# Altium PCB UmTRXv21.PcbDoc (part 5 of 19)
Units mm, origin at the board's own origin, x right, y up, seen from the top; angles counter-clockwise.
Board outline 159.5 x 99.5 mm, 6 copper layers (Top Layer, GND, MidLayer1, Mid-Layer 2, InternalPlane2, Bottom Layer), stack 1.526 mm thick; 716 components, 578 nets, 2850 pads, 1402 vias.
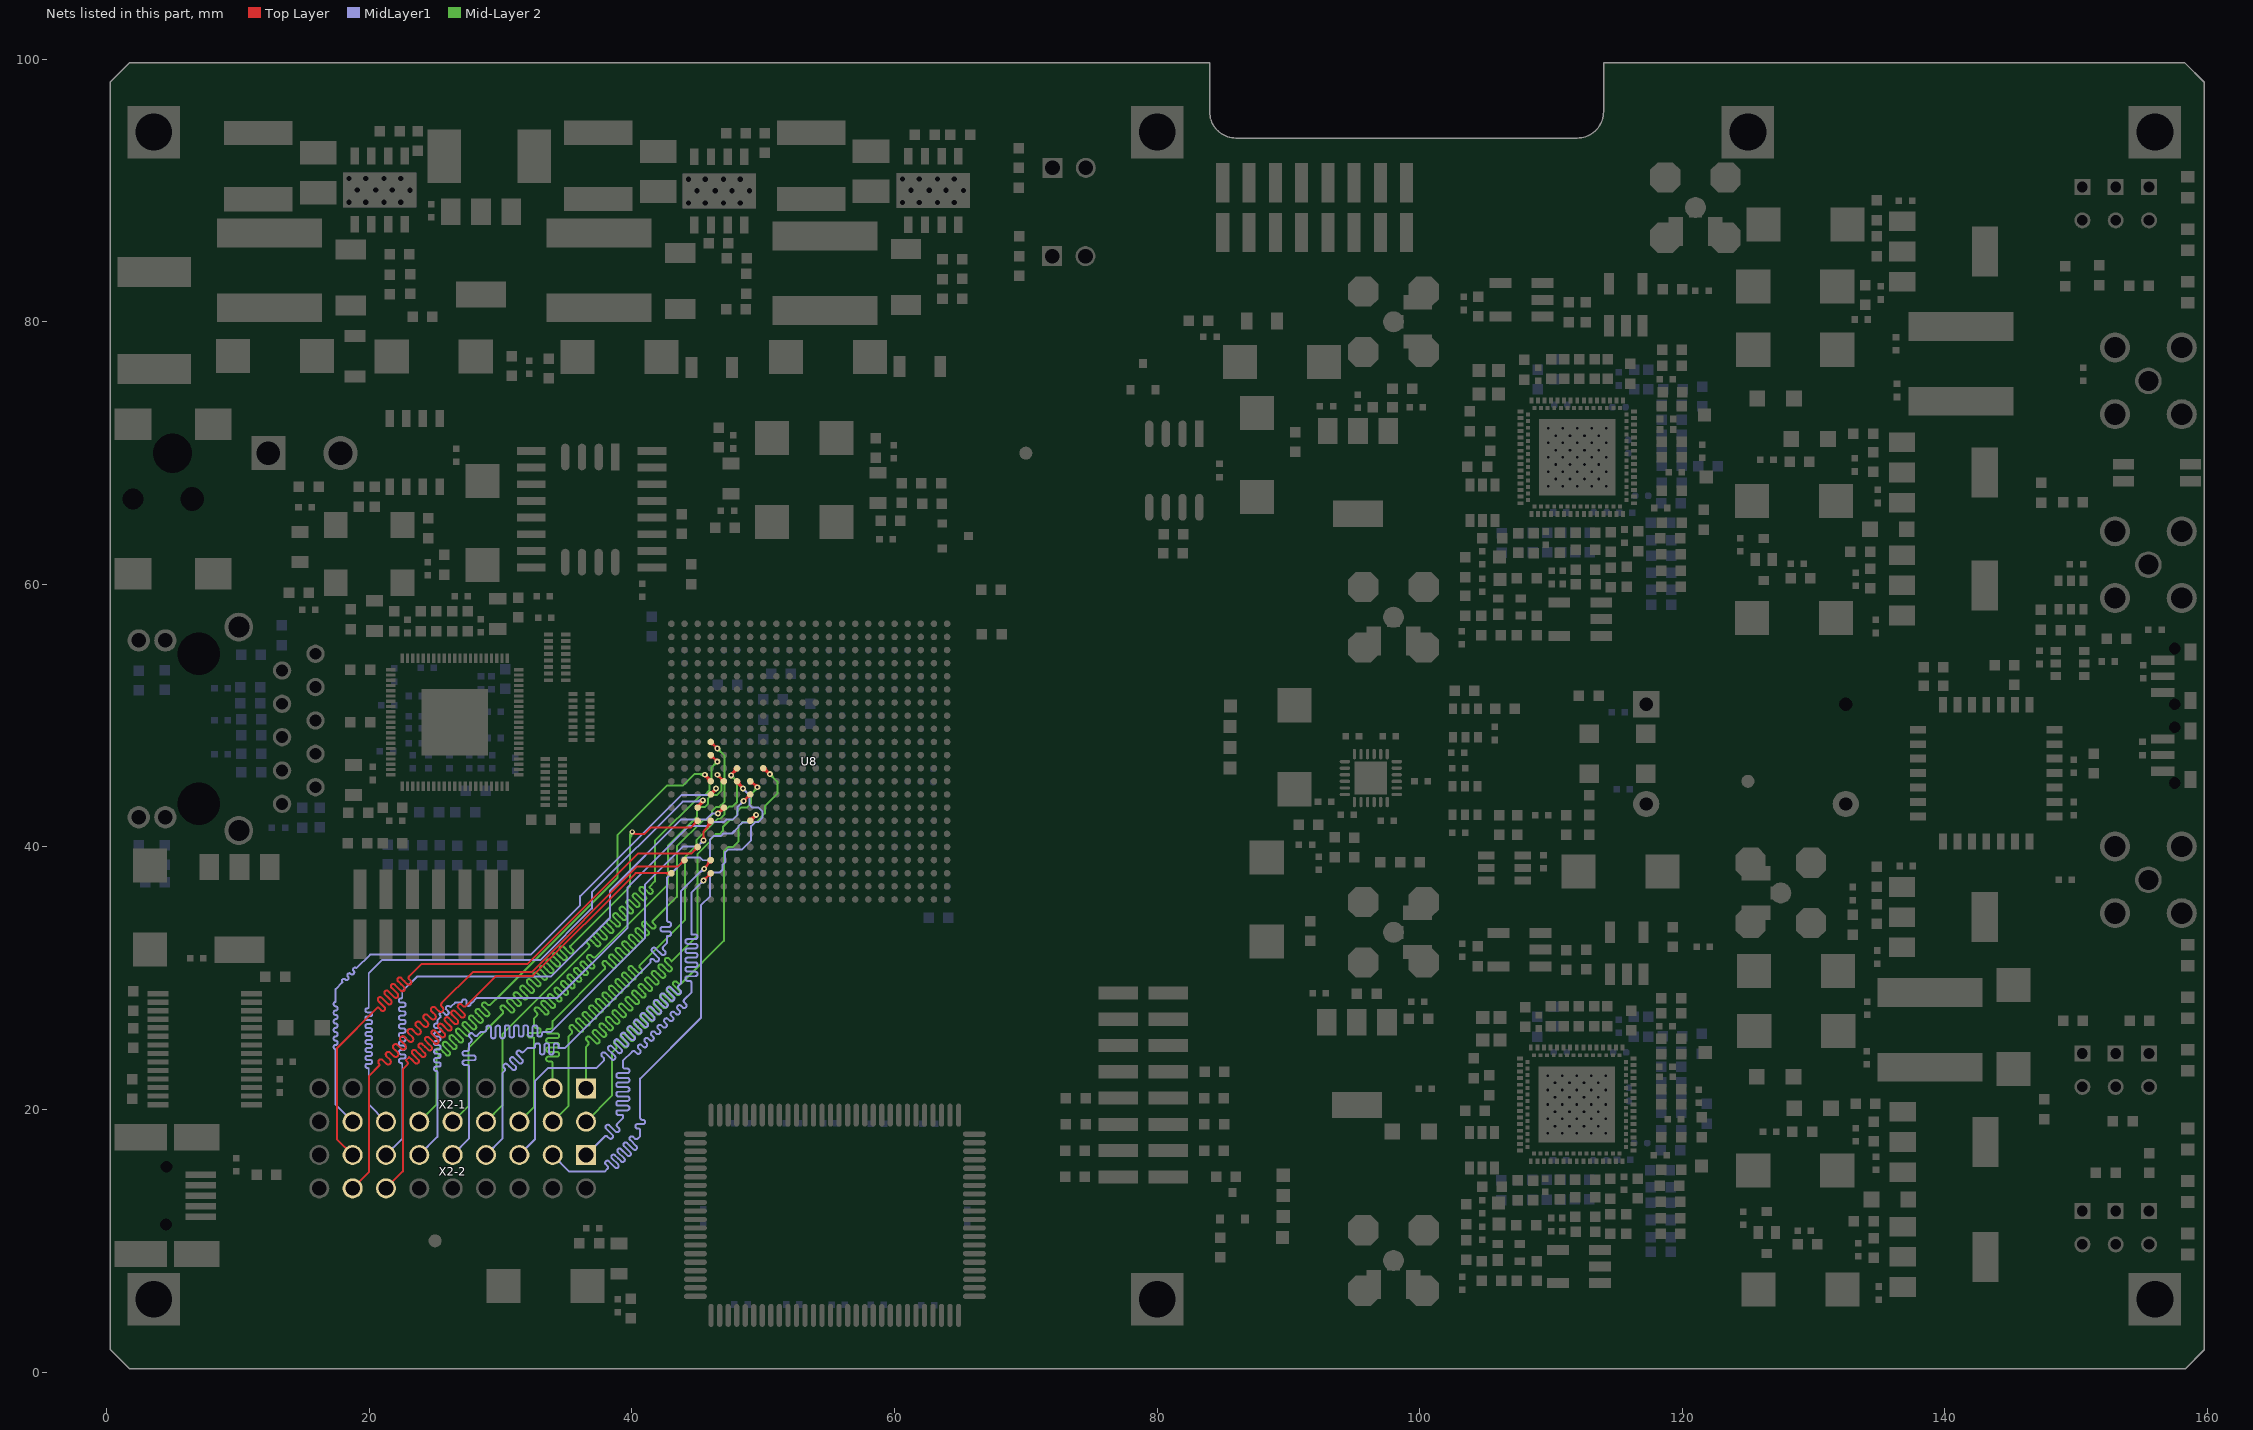
[diagram p9: the nets of this part, all layers, seen from the top]

## Via types
v1: diameter 0.45, hole 0.2, Top Layer to Bottom Layer, tented both sides, 440 vias
v2: diameter 0.5, hole 0.2, Top Layer to Bottom Layer, tented both sides, 423 vias
v3: diameter 0.7, hole 0.3, Top Layer to Bottom Layer, tented both sides, 257 vias
v4: diameter 0.4, hole 0.2, Top Layer to Bottom Layer, tented both sides, 197 vias
v5: diameter 0.8, hole 0.3, Top Layer to Bottom Layer, tented both sides, 63 vias
v6: diameter 0.6, hole 0.25, Top Layer to Bottom Layer, tented both sides, 16 vias
v7: diameter 0.6, hole 0.3, Top Layer to Bottom Layer, tented both sides, 4 vias
v8: diameter 1, hole 0.5, Top Layer to Bottom Layer, tented both sides, 2 vias

## Nets (pads, with @x,y where several pads share a name; then routed paths per layer and width w, separated by ;. In a path a pad name is that pad's centre, name@x,y a point inside that pad or via, vN(x,y) a via of type N, cw(c..) or ccw(c..) an arc to the next point about the centre after c; other vN are vias at no path point) (continued)
DEBUG6: U8.N19 X2-1.3 | length 51.7
  Top Layer w0.15: U8.N19@45.9,48 U8.N19@46,48 v1(46.5,47.5) ; U8.N19@46,47.825 cw(c46,47.403) 46.299,47.701 cw(c46.597,48) U8.N19@46.175,48 ; v1@46.35,47.5 ccw(c45.988,47.5) 46.244,47.756 ccw(c46.5,48.012) v1@46.5,47.65
  Mid-Layer 2 w0.15: X2-1.3@33.96,21.62 33.96,23.5 ccw(c33.783,23.5) 33.783,23.677 33.637,23.677 cw(c33.637,23.853) 33.46,23.853 cw(c33.637,23.853) 33.637,24.03 34.283,24.03 ccw(c34.283,24.206) 34.46,24.206 ccw(c34.283,24.206) 34.283,24.383 33.637,24.383 cw(c33.637,24.56) 33.46,24.56 cw(c33.637,24.56) 33.637,24.736 34.283,24.736 ccw(c34.283,24.913) 34.46,24.913 ccw(c34.283,24.913) 34.283,25.089 33.637,25.089 cw(c33.637,25.266) 33.46,25.266 cw(c33.637,25.266) 33.637,25.443 34.283,25.443 ccw(c34.283,25.619) 34.46,25.619 ccw(c34.283,25.619) 34.283,25.796 33.637,25.796 cw(c33.637,25.972) 33.46,25.972 cw(c33.637,25.972) 33.637,26.149 33.783,26.149 ccw(c33.783,26.326) 33.96,26.326 33.96,26.735 37.9,30.675 ; 37.9,30.925 37.803,31.021 cw(c37.928,31.146) 37.803,31.271 cw(c37.928,31.146) 38.053,31.271 38.275,31.05 38.496,30.828 ccw(c38.621,30.953) 38.746,30.828 ccw(c38.621,30.953) 38.746,31.078 38.524,31.299 38.303,31.521 cw(c38.428,31.646) 38.303,31.771 cw(c38.428,31.646) 38.553,31.771 38.996,31.328 ccw(c39.121,31.452) 39.245,31.328 ccw(c39.121,31.452) 39.245,31.577 38.802,32.02 cw(c38.927,32.145) 38.802,32.27 cw(c38.927,32.145) 39.052,32.27 39.274,32.049 39.495,31.827 ccw(c39.62,31.952) 39.745,31.827 ccw(c39.62,31.952) 39.745,32.077 39.523,32.298 39.302,32.52 cw(c39.427,32.645) 39.302,32.77 cw(c39.427,32.645) 39.552,32.77 39.995,32.327 ccw(c40.12,32.451) 40.244,32.327 ccw(c40.12,32.451) 40.244,32.576 39.801,33.019 cw(c39.926,33.144) 39.801,33.269 cw(c39.926,33.144) 40.051,33.269 40.273,33.048 40.494,32.826 ccw(c40.619,32.951) 40.744,32.826 ccw(c40.619,32.951) 40.744,33.076 40.522,33.297 40.301,33.519 cw(c40.426,33.644) 40.301,33.769 cw(c40.426,33.644) 40.551,33.769 40.994,33.326 ccw(c41.119,33.45) 41.243,33.326 ccw(c41.119,33.45) 41.243,33.575 40.8,34.018 cw(c40.925,34.143) 40.8,34.268 cw(c40.925,34.143) 41.05,34.268 41.272,34.047 41.493,33.825 ccw(c41.618,33.95) 41.743,33.825 ccw(c41.618,33.95) 41.743,34.075 41.587,34.23 cw(c41.654,34.296) 41.587,34.363 43.425,36.2 43.425,40.05 45.425,42.05 45.7,42.05 46.1,42.45 46.1,42.75 46.4,43.05 46.65,43.05 47.05,43.45 47.05,46.95 v1(46.5,47.5) ; 37.9,30.675 ccw(c37.775,30.8) 37.9,30.925 ; v1@46.5,47.35 cw(c46.5,46.988) 46.756,47.244 cw(c47.012,47.5) v1@46.65,47.5
DEBUG7: U8.K16 X2-1.1 | length 51.8
  Top Layer w0.15: U8.K16@49,44.825 cw(c49,44.161) v1@49.469,44.631 ; U8.K16@49.05,45.05 v1(49.55,44.55) ; U8.K16@49.175,45 ccw(c49.356,45) 49.228,44.872 ; v1@49.4,44.55 ccw(c49.038,44.55) 49.294,44.806 ccw(c49.55,45.062) v1@49.55,44.7
  Mid-Layer 2 w0.15: X2-1.1@36.5,21.62 36.5,24.775 36.65,24.925 ccw(c36.525,25.05) 36.65,25.175 36.558,25.267 cw(c36.683,25.392) 36.558,25.517 cw(c36.683,25.392) 36.807,25.517 37.025,25.3 37.242,25.082 ccw(c37.367,25.207) 37.492,25.082 ccw(c37.367,25.207) 37.492,25.332 37.274,25.549 37.057,25.767 cw(c37.182,25.891) 37.057,26.016 cw(c37.182,25.891) 37.307,26.016 37.741,25.582 ccw(c37.866,25.707) 37.991,25.582 ccw(c37.866,25.707) 37.991,25.832 37.557,26.266 cw(c37.682,26.391) 37.557,26.516 cw(c37.682,26.391) 37.806,26.516 38.024,26.299 38.241,26.081 ccw(c38.366,26.206) 38.491,26.081 ccw(c38.366,26.206) 38.491,26.331 38.273,26.548 38.056,26.766 cw(c38.181,26.89) 38.056,27.015 cw(c38.181,26.89) 38.306,27.015 38.74,26.581 ccw(c38.865,26.706) 38.99,26.581 ccw(c38.865,26.706) 38.99,26.831 38.556,27.265 cw(c38.681,27.39) 38.556,27.515 cw(c38.681,27.39) 38.805,27.515 39.023,27.298 39.24,27.08 ccw(c39.365,27.205) 39.49,27.08 ccw(c39.365,27.205) 39.49,27.33 39.272,27.547 39.055,27.765 cw(c39.18,27.889) 39.055,28.014 cw(c39.18,27.889) 39.305,28.014 39.739,27.58 ccw(c39.864,27.705) 39.989,27.58 ccw(c39.864,27.705) 39.989,27.83 39.555,28.264 cw(c39.68,28.389) 39.555,28.514 cw(c39.68,28.389) 39.804,28.514 40.022,28.297 40.239,28.079 ccw(c40.364,28.204) 40.489,28.079 ccw(c40.364,28.204) 40.489,28.329 40.271,28.546 40.054,28.764 cw(c40.179,28.888) 40.054,29.013 cw(c40.179,28.888) 40.304,29.013 40.738,28.579 ccw(c40.863,28.704) 40.988,28.579 ccw(c40.863,28.704) 40.988,28.829 40.771,29.046 40.554,29.263 cw(c40.679,29.388) 40.554,29.513 cw(c40.679,29.388) 40.803,29.513 41.021,29.296 41.238,29.078 ccw(c41.363,29.203) 41.488,29.078 ccw(c41.363,29.203) 41.488,29.328 41.053,29.763 cw(c41.178,29.887) 41.053,30.012 cw(c41.178,29.887) 41.303,30.012 41.737,29.578 ccw(c41.862,29.703) 41.987,29.578 ccw(c41.862,29.703) 41.987,29.828 41.77,30.045 41.553,30.262 cw(c41.678,30.387) 41.553,30.512 cw(c41.678,30.387) 41.802,30.512 42.02,30.295 42.237,30.077 ccw(c42.362,30.202) 42.487,30.077 ccw(c42.362,30.202) 42.487,30.327 42.052,30.762 cw(c42.177,30.886) 42.052,31.011 cw(c42.177,30.886) 42.302,31.011 42.736,30.577 ccw(c42.861,30.702) 42.986,30.577 ccw(c42.861,30.702) 42.986,30.827 42.769,31.044 42.552,31.261 cw(c42.677,31.386) 42.552,31.511 cw(c42.677,31.386) 42.801,31.511 43.019,31.294 45,33.275 45,39.484 45.95,40.434 45.95,40.551 46.378,40.979 46.679,40.979 46.921,41.221 46.921,41.522 47.449,42.05 47.651,42.05 48,42.399 48,42.7 48.3,43 48.75,43 49.075,43.325 49.075,44.025 49.575,44.525 49.6,44.55 v1(49.55,44.55) ; 49.259,44.209 ccw(c48.917,44.55) v1@49.4,44.55 ; 49.379,44.329 cw(c49.55,44.159) v1@49.55,44.4
DEBUG8: U8.J19 X2-1.16 | length 52.9
  Top Layer w0.15: U8.J19@45.982,44.174 ccw(c45.946,44.518) v1@46.245,44.345 ; U8.J19@46,44 46.4,44.4 v1(46.4,44.45) v1@46.276,44.326 ; U8.J19@46,44.175 ccw(c46,44.597) 46.299,44.299 ccw(c46.597,44) U8.J19@46.175,44 ; U8.J19@46.109,44.109 ccw(c45.767,44.45) v1@46.25,44.45 ; U8.J19@46.169,44.045 cw(c46.446,44.119) 46.198,44.263 ; U8.J19@46.172,44.034 cw(c46.375,44.074) 46.271,44.253 ; U8.J19@46.175,43.988 cw(c46.585,43.959) v1@46.379,44.316 ; 46.229,44.229 cw(c46.4,44.058) v1@46.4,44.3
  MidLayer1 w0.15: X2-1.16@18.72,19.08 17.425,20.375 17.425,24.589 cw(c17.425,24.739) 17.275,24.739 17.275,24.767 cw(c17.425,24.767) 17.425,24.917 ccw(c17.425,25.067) 17.575,25.067 17.575,25.094 ccw(c17.425,25.094) 17.425,25.244 cw(c17.425,25.394) 17.275,25.394 17.275,25.422 cw(c17.425,25.422) 17.425,25.572 ccw(c17.425,25.722) 17.575,25.722 17.575,25.75 ccw(c17.425,25.75) 17.425,25.9 cw(c17.425,26.05) 17.275,26.05 17.275,26.078 cw(c17.425,26.078) 17.425,26.228 ccw(c17.425,26.378) 17.575,26.378 17.575,26.406 ccw(c17.425,26.406) 17.425,26.556 cw(c17.425,26.706) 17.275,26.706 17.275,26.733 cw(c17.425,26.733) 17.425,26.883 ccw(c17.425,27.033) 17.575,27.033 17.575,27.061 ccw(c17.425,27.061) 17.425,27.211 cw(c17.425,27.361) 17.275,27.361 17.275,27.389 cw(c17.425,27.389) 17.425,27.539 ccw(c17.425,27.689) 17.575,27.689 17.575,27.717 ccw(c17.425,27.717) 17.425,27.867 cw(c17.425,28.017) 17.275,28.017 17.275,28.045 cw(c17.425,28.045) 17.425,28.195 17.425,29.175 17.944,29.694 17.935,29.704 cw(c18.031,29.8) 17.935,29.897 17.956,29.918 cw(c18.052,29.822) 18.148,29.918 18.158,29.908 18.168,29.898 ccw(c18.264,29.995) 18.361,29.898 18.382,29.92 ccw(c18.286,30.016) 18.382,30.112 18.362,30.132 cw(c18.458,30.228) 18.362,30.324 18.384,30.346 cw(c18.48,30.25) 18.576,30.346 18.596,30.326 ccw(c18.692,30.422) 18.788,30.326 18.81,30.347 ccw(c18.713,30.444) 18.81,30.54 18.79,30.56 cw(c18.886,30.656) 18.79,30.752 18.811,30.773 cw(c18.907,30.677) 19.004,30.773 19.014,30.764 20.05,31.8 32.3,31.8 36.05,35.55 36.05,36.25 43.752,43.952 45.902,43.952 v1(46.4,44.45) ; v1@46.25,44.45 cw(c45.888,44.45) 46.144,44.194 cw(c46.4,43.938) v1@46.4,44.3
DEBUG9: U8.H20 X2-1.14 | length 52.9
  Top Layer w0.15: U8.H20@44.96,43.17 ccw(c44.863,43.586) 45.233,43.373 ; U8.H20@45,43 45.4,43.4 45.4,43.549 v1(45.403,43.552) cw(c45.042,43.552) 45.297,43.297 ; U8.H20@45,43.175 ccw(c45,43.597) 45.299,43.299 ccw(c45.597,43) U8.H20@45.175,43 ; U8.H20@45.041,43.041 ccw(c44.53,43.552) v1@45.253,43.552 ; U8.H20@45.169,43.045 cw(c45.527,43.141) 45.206,43.327
  MidLayer1 w0.15: 19.836,27.712 ccw(c19.836,27.576) 19.7,27.576 19.7,27.546 ccw(c19.836,27.546) 19.836,27.41 20.064,27.41 cw(c20.064,27.274) 20.2,27.274 20.2,27.243 cw(c20.064,27.243) 20.064,27.107 19.836,27.107 ccw(c19.836,26.971) 19.7,26.971 19.7,26.941 ccw(c19.836,26.941) 19.836,26.805 20.064,26.805 cw(c20.064,26.669) 20.2,26.669 20.2,26.639 cw(c20.064,26.639) 20.064,26.503 19.836,26.503 ccw(c19.836,26.367) 19.7,26.367 19.7,26.336 ccw(c19.836,26.336) 19.836,26.2 20.064,26.2 cw(c20.064,26.064) 20.2,26.064 20.2,26.034 cw(c20.064,26.034) 20.064,25.898 19.836,25.898 ccw(c19.836,25.762) 19.7,25.762 19.7,25.731 ccw(c19.836,25.731) 19.836,25.595 20.064,25.595 cw(c20.064,25.459) 20.2,25.459 20.2,25.429 cw(c20.064,25.429) 20.064,25.293 19.836,25.293 ccw(c19.836,25.157) 19.7,25.157 19.7,25.127 ccw(c19.836,25.127) 19.836,24.991 20.064,24.991 cw(c20.064,24.855) 20.2,24.855 20.2,24.824 cw(c20.064,24.824) 20.064,24.688 19.836,24.688 ccw(c19.836,24.552) 19.7,24.552 19.7,24.522 ccw(c19.836,24.522) 19.836,24.386 20.064,24.386 cw(c20.064,24.25) 20.2,24.25 20.2,24.219 cw(c20.064,24.219) 20.064,24.083 19.836,24.083 ccw(c19.836,23.947) 19.7,23.947 19.7,23.917 ccw(c19.836,23.917) 19.836,23.781 20.064,23.781 cw(c20.064,23.645) 20.2,23.645 20.2,23.615 cw(c20.064,23.615) 20.064,23.479 19.836,23.479 ccw(c19.836,23.343) 19.7,23.343 19.7,23.312 ccw(c19.836,23.312) 19.836,23.176 cw(c19.836,23.062) 19.95,23.062 19.95,20.39 X2-1.14@21.26,19.08 ; 19.837,27.712 ccw(c19.837,27.825) 19.95,27.825 19.95,30.375 20.95,31.375 33,31.375 36.95,35.325 36.95,36.55 43.85,43.45 45.4,43.45 45.403,43.453 v1(45.403,43.552) cw(c45.156,43.799) 45.156,43.45 ; 44.794,43.45 ccw(c44.794,44.161) v1@45.297,43.658
DEBUG10: U8.K19 X2-1.12 | length 53.8
  Top Layer w0.15: v1@45.55,45.35 cw(c45.55,44.988) 45.806,45.244 cw(c46.062,45.5) v1@45.7,45.5 ; v1@45.55,45.55 v1(45.55,45.5) U8.K19@46,45.05 ; v1@45.587,45.371 cw(c45.347,44.955) U8.K19@45.825,44.988 ; v1@45.666,45.384 cw(c45.282,45) U8.K19@45.825,45 ; v1@45.699,45.429 ccw(c46.178,45.705) U8.K19@46.043,45.17 ; 45.749,45.277 cw(c45.655,45.114) U8.K19@45.834,45.055 ; 45.787,45.263 ccw(c46,45.477) U8.K19@46,45.175 ; 45.793,45.267 ccw(c45.957,45.361) U8.K19@45.979,45.174 ; 45.831,45.23 cw(c45.685,44.978) U8.K19@45.975,44.998 ; 45.804,45.247 cw(c45.575,45.114) 45.831,45.045 ccw(c45.575,45.114) 45.804,45.247
  Mid-Layer 2 w0.15: X2-1.12@23.8,19.08 25.1,20.38 25.1,23.875 25.237,24.013 ccw(c25.113,24.137) 25.238,24.262 25.134,24.366 cw(c25.259,24.491) 25.134,24.616 cw(c25.259,24.491) 25.383,24.616 25.612,24.387 25.841,24.158 ccw(c25.966,24.283) 26.091,24.158 ccw(c25.966,24.283) 26.091,24.408 25.633,24.866 cw(c25.758,24.99) 25.633,25.115 cw(c25.758,24.99) 25.883,25.115 26.112,24.887 26.34,24.658 ccw(c26.465,24.783) 26.59,24.658 ccw(c26.465,24.783) 26.59,24.908 26.133,25.365 cw(c26.258,25.49) 26.133,25.615 cw(c26.258,25.49) 26.382,25.615 ; 26.382,25.615 26.611,25.386 26.84,25.157 ccw(c26.965,25.282) 27.09,25.157 ccw(c26.965,25.282) 27.09,25.407 26.632,25.865 cw(c26.757,25.989) 26.632,26.114 cw(c26.757,25.989) 26.882,26.114 27.111,25.886 27.339,25.657 ccw(c27.464,25.782) 27.589,25.657 ccw(c27.464,25.782) 27.589,25.907 27.36,26.135 27.132,26.364 cw(c27.257,26.489) 27.132,26.614 cw(c27.257,26.489) 27.381,26.614 27.61,26.385 27.839,26.156 ccw(c27.964,26.281) 28.089,26.156 ccw(c27.964,26.281) 28.089,26.406 27.86,26.635 27.631,26.864 cw(c27.756,26.988) 27.631,27.113 cw(c27.756,26.988) 27.881,27.113 28.338,26.656 ccw(c28.463,26.781) 28.588,26.656 ccw(c28.463,26.781) 28.588,26.906 28.359,27.134 28.131,27.363 cw(c28.256,27.488) 28.131,27.613 cw(c28.256,27.488) 28.38,27.613 28.838,27.155 ccw(c28.963,27.28) 29.088,27.155 ccw(c28.963,27.28) 29.088,27.405 28.859,27.634 28.63,27.863 cw(c28.755,27.987) 28.63,28.112 cw(c28.755,27.987) 28.88,28.112 28.984,28.009 ccw(c29.109,28.133) 29.233,28.008 29.875,28.65 38.9,37.675 38.9,40.925 42.675,44.7 43.9,44.7 44.75,45.55 45.5,45.55 v1(45.55,45.5) ; 45.067,45.55 cw(c45.067,45.017) v1@45.444,45.394 ; 45.309,45.55 ccw(c45.309,45.741) v1@45.444,45.606
DEBUG11: U8.G20 X2-1.10 | length 52
  Top Layer w0.15: v4(40.019,41.15) 40.075,41.15 40.25,40.975 ; v4@40.05,41.029 cw(c40.103,40.828) 40.25,40.975 ; v4@40.144,41.15 ccw(c40.31,41.15) 40.192,41.033 ; U8.G20@44.825,42 cw(c44.403,42) 44.701,41.701 cw(c45,41.403) U8.G20@45,41.825 ; U8.G20@45,42 44.5,41.5 41.475,41.5 40.95,40.975 40.25,40.975
  Mid-Layer 2 w0.15: X2-1.10@26.34,19.08 27.55,20.29 27.55,24.7 30.137,27.287 ; 30.138,27.288 ccw(c30.013,27.412) 30.138,27.537 30.037,27.638 cw(c30.162,27.763) 30.037,27.888 cw(c30.162,27.763) 30.287,27.888 30.512,27.662 30.738,27.437 ccw(c30.863,27.561) 30.987,27.437 ccw(c30.862,27.561) 30.987,27.686 30.762,27.912 30.536,28.137 cw(c30.661,28.262) 30.536,28.387 cw(c30.661,28.262) 30.786,28.387 31.237,27.936 ccw(c31.362,28.061) 31.487,27.936 ccw(c31.362,28.061) 31.487,28.186 31.036,28.637 cw(c31.161,28.762) 31.036,28.887 cw(c31.161,28.762) 31.286,28.887 31.511,28.661 31.737,28.436 ccw(c31.862,28.56) 31.986,28.436 ccw(c31.861,28.56) 31.986,28.685 31.761,28.911 31.535,29.136 cw(c31.66,29.261) 31.535,29.386 cw(c31.66,29.261) 31.785,29.386 32.236,28.935 ccw(c32.361,29.06) 32.486,28.935 ccw(c32.361,29.06) 32.486,29.185 32.035,29.636 cw(c32.16,29.761) 32.035,29.886 cw(c32.16,29.761) 32.285,29.886 32.51,29.66 32.736,29.435 ccw(c32.861,29.559) 32.985,29.435 ccw(c32.861,29.559) 32.985,29.684 32.76,29.91 32.534,30.135 cw(c32.659,30.26) 32.534,30.385 cw(c32.659,30.26) 32.784,30.385 33.235,29.934 ccw(c33.36,30.059) 33.485,29.934 ccw(c33.36,30.059) 33.485,30.184 33.034,30.635 cw(c33.159,30.76) 33.034,30.885 cw(c33.159,30.76) 33.284,30.885 33.509,30.659 33.735,30.434 ccw(c33.86,30.558) 33.984,30.434 ccw(c33.86,30.558) 33.984,30.683 33.759,30.909 33.533,31.134 cw(c33.658,31.259) 33.533,31.384 cw(c33.658,31.259) 33.783,31.384 34.234,30.933 ccw(c34.359,31.058) 34.484,30.933 ccw(c34.359,31.058) 34.484,31.183 34.258,31.408 34.033,31.634 cw(c34.158,31.759) 34.033,31.884 cw(c34.158,31.759) 34.283,31.884 34.508,31.658 34.734,31.433 ccw(c34.859,31.557) 34.983,31.433 ccw(c34.859,31.557) 34.983,31.682 34.532,32.133 cw(c34.657,32.258) 34.532,32.383 cw(c34.657,32.258) 34.782,32.383 35.233,31.932 ccw(c35.358,32.057) 35.483,31.932 ccw(c35.358,32.057) 35.483,32.182 35.3,32.365 cw(c35.343,32.407) 35.3,32.45 39.85,37 39.85,40.981 v4(40.019,41.15) ; 39.85,40.441 cw(c40.728,40.441) v4@40.107,41.062 ; 39.85,40.803 cw(c40.366,40.803) v4@40.001,41.168
DEBUG12: U8.M19 X2-1.8 | length 51.8
  Top Layer w0.15: U8.M19@46,46.825 cw(c46,46.403) 46.299,46.701 cw(c46.597,47) U8.M19@46.175,47 ; U8.M19@46.1,46.9 v1(46.5,46.5) ; v1@46.35,46.5 ccw(c45.988,46.5) 46.244,46.756 ccw(c46.5,47.012) v1@46.5,46.65
  Mid-Layer 2 w0.15: X2-1.8@28.88,19.08 30.125,20.325 30.125,25.75 36.7,32.325 ccw(c36.575,32.45) 36.7,32.575 36.61,32.665 cw(c36.735,32.79) 36.61,32.915 cw(c36.735,32.79) 36.86,32.915 37.075,32.7 37.29,32.485 ccw(c37.415,32.609) 37.539,32.485 ccw(c37.415,32.609) 37.539,32.734 37.324,32.949 37.109,33.164 cw(c37.234,33.289) 37.109,33.414 cw(c37.234,33.289) 37.359,33.414 37.789,32.984 ccw(c37.914,33.109) 38.039,32.984 ccw(c37.914,33.109) 38.039,33.234 37.609,33.664 cw(c37.734,33.789) 37.609,33.914 cw(c37.734,33.789) 37.859,33.914 38.074,33.699 38.289,33.484 ccw(c38.414,33.608) 38.538,33.484 ccw(c38.414,33.608) 38.538,33.733 38.323,33.948 38.108,34.163 cw(c38.233,34.288) 38.108,34.413 cw(c38.233,34.288) 38.358,34.413 38.788,33.983 ccw(c38.913,34.108) 39.038,33.983 ccw(c38.913,34.108) 39.038,34.233 38.608,34.663 cw(c38.733,34.788) 38.608,34.913 cw(c38.733,34.788) 38.858,34.913 39.073,34.698 39.288,34.483 ccw(c39.413,34.607) 39.537,34.483 ccw(c39.413,34.607) 39.537,34.732 39.322,34.947 39.107,35.162 cw(c39.232,35.287) 39.107,35.412 cw(c39.232,35.287) 39.357,35.412 39.787,34.982 ccw(c39.912,35.107) 40.037,34.982 ccw(c39.912,35.107) 40.037,35.232 39.607,35.662 cw(c39.732,35.787) 39.607,35.912 cw(c39.732,35.787) 39.857,35.912 40.072,35.697 40.287,35.482 ccw(c40.412,35.606) 40.536,35.482 ccw(c40.412,35.606) 40.536,35.731 40.321,35.946 40.106,36.161 cw(c40.231,36.286) 40.106,36.411 cw(c40.231,36.286) 40.356,36.411 40.786,35.981 ccw(c40.911,36.106) 41.036,35.981 ccw(c40.911,36.106) 41.036,36.231 40.821,36.446 40.606,36.661 cw(c40.731,36.786) 40.606,36.911 cw(c40.731,36.786) 40.856,36.911 41.071,36.696 41.286,36.481 ccw(c41.411,36.605) 41.535,36.481 ccw(c41.411,36.605) 41.535,36.73 41.32,36.945 41.75,37.375 41.75,40.465 45.237,43.952 45.527,43.952 45.9,44.325 45.9,44.9 46.05,45.05 46.05,46.05 v1(46.5,46.5) ; v1@46.35,46.5 cw(c45.988,46.5) 46.244,46.244 cw(c46.5,45.988) v1@46.5,46.35
DEBUG13: U8.K18 X2-1.6 | length 51.8
  Top Layer w0.15: v1@46.5,45.35 cw(c46.5,44.988) 46.756,45.244 cw(c47.012,45.5) v1@46.65,45.5 ; v1(46.5,45.5) U8.K18@47,45 ; U8.K18@46.825,45 ccw(c46.403,45) 46.701,45.299 ccw(c47,45.597) U8.K18@47,45.175
  Mid-Layer 2 w0.15: X2-1.6@31.42,19.08 32.55,20.21 32.55,25.4 ccw(c32.458,25.4) 32.458,25.492 32.227,25.492 cw(c32.227,25.669) 32.05,25.669 cw(c32.227,25.669) 32.227,25.845 32.873,25.845 ccw(c32.873,26.022) 33.05,26.022 ccw(c32.873,26.022) 32.873,26.198 32.727,26.198 cw(c32.727,26.375) 32.55,26.375 32.55,26.95 32.738,27.137 ; 32.738,27.387 32.634,27.491 cw(c32.759,27.616) 32.634,27.741 cw(c32.759,27.616) 32.883,27.741 33.112,27.512 33.341,27.283 ccw(c33.466,27.408) 33.591,27.283 ccw(c33.466,27.408) 33.591,27.533 33.362,27.762 33.133,27.991 cw(c33.258,28.115) 33.133,28.24 cw(c33.258,28.115) 33.383,28.24 33.84,27.783 ccw(c33.965,27.908) 34.09,27.783 ccw(c33.965,27.908) 34.09,28.033 33.633,28.49 cw(c33.758,28.615) 33.633,28.74 cw(c33.758,28.615) 33.882,28.74 34.111,28.511 34.34,28.282 ccw(c34.465,28.407) 34.59,28.282 ccw(c34.465,28.407) 34.59,28.532 34.361,28.761 34.132,28.99 cw(c34.257,29.114) 34.132,29.239 cw(c34.257,29.114) 34.382,29.239 34.839,28.782 ccw(c34.964,28.907) 35.089,28.782 ccw(c34.964,28.907) 35.089,29.032 34.632,29.489 cw(c34.757,29.614) 34.632,29.739 cw(c34.757,29.614) 34.881,29.739 35.11,29.51 35.339,29.281 ccw(c35.464,29.406) 35.589,29.281 ccw(c35.464,29.406) 35.589,29.531 35.36,29.76 35.131,29.989 cw(c35.256,30.113) 35.131,30.238 cw(c35.256,30.113) 35.381,30.238 35.838,29.781 ccw(c35.963,29.906) 36.088,29.781 ccw(c35.963,29.906) 36.088,30.031 35.631,30.488 cw(c35.756,30.613) 35.631,30.738 cw(c35.756,30.613) 35.88,30.738 36.109,30.509 36.338,30.28 ccw(c36.463,30.405) 36.588,30.28 ccw(c36.463,30.405) 36.588,30.53 36.359,30.759 36.13,30.988 cw(c36.255,31.112) 36.13,31.237 cw(c36.255,31.112) 36.38,31.237 36.837,30.78 ccw(c36.962,30.905) 37.087,30.78 ccw(c36.962,30.905) 37.087,31.03 36.858,31.258 36.63,31.487 cw(c36.755,31.612) 36.63,31.737 cw(c36.755,31.612) 36.879,31.737 36.983,31.633 ccw(c37.108,31.758) 37.233,31.633 42.725,37.125 42.725,40.079 44.95,42.304 44.95,42.85 45.15,43.05 45.566,43.05 45.803,43.287 45.803,43.703 46.05,43.95 46.466,43.95 46.8,44.284 46.8,45.2 v1(46.5,45.5) ; 32.738,27.138 ccw(c32.613,27.262) 32.738,27.387 ; v1@46.5,45.35 cw(c46.5,44.988) 46.756,45.244 cw(c47.012,45.5) v1@46.65,45.5
DEBUG14: U8.L17 X2-1.4 | length 52.3
  Top Layer w0.15: v1@47.5,45.45 v1(47.55,45.45) ; v1@47.525,45.525 U8.L17@48,46 ; v1@47.7,45.45 cw(c48.304,45.45) U8.L17@47.877,45.877 ; v1@47.708,45.584 cw(c48.157,45.324) U8.L17@48.04,45.83 ; 47.804,45.751 ccw(c47.572,45.885) U8.L17@47.831,45.955 ; U8.L17@47.825,46 cw(c47.403,46) 47.701,45.701 cw(c48,45.403) U8.L17@48,45.825
  Mid-Layer 2 w0.15: X2-1.4@33.96,19.08 35.175,20.295 35.175,25.575 35.388,25.787 ccw(c35.263,25.912) 35.388,26.037 35.289,26.136 cw(c35.414,26.261) 35.289,26.386 cw(c35.414,26.261) 35.538,26.386 35.762,26.162 35.986,25.938 ccw(c36.111,26.063) 36.236,25.938 ccw(c36.111,26.063) 36.236,26.188 35.788,26.636 cw(c35.913,26.76) 35.788,26.885 cw(c35.913,26.76) 36.038,26.885 36.262,26.662 36.485,26.438 ccw(c36.61,26.563) 36.735,26.438 ccw(c36.61,26.563) 36.735,26.688 36.288,27.135 cw(c36.413,27.26) 36.288,27.385 cw(c36.413,27.26) 36.537,27.385 36.761,27.161 36.985,26.937 ccw(c37.11,27.062) 37.235,26.937 ccw(c37.11,27.062) 37.235,27.187 36.787,27.635 cw(c36.912,27.759) 36.787,27.884 cw(c36.912,27.759) 37.037,27.884 37.261,27.661 37.484,27.437 ccw(c37.609,27.562) 37.734,27.437 ccw(c37.609,27.562) 37.734,27.687 37.51,27.91 37.287,28.134 cw(c37.412,28.259) 37.287,28.384 cw(c37.412,28.259) 37.536,28.384 37.76,28.16 37.984,27.936 ccw(c38.109,28.061) 38.234,27.936 ccw(c38.109,28.061) 38.234,28.186 38.01,28.41 37.786,28.634 cw(c37.911,28.758) 37.786,28.883 cw(c37.911,28.758) 38.036,28.883 38.26,28.66 38.483,28.436 ccw(c38.608,28.561) 38.733,28.436 ccw(c38.608,28.561) 38.733,28.686 38.509,28.909 38.286,29.133 cw(c38.411,29.258) 38.286,29.383 cw(c38.411,29.258) 38.535,29.383 38.983,28.935 ccw(c39.108,29.06) 39.233,28.935 ccw(c39.108,29.06) 39.233,29.185 39.009,29.409 38.785,29.633 cw(c38.91,29.757) 38.785,29.882 cw(c38.91,29.757) 39.035,29.882 39.482,29.435 ccw(c39.607,29.56) 39.732,29.435 ccw(c39.607,29.56) 39.732,29.685 39.508,29.908 39.285,30.132 cw(c39.41,30.257) 39.285,30.382 cw(c39.41,30.257) 39.534,30.382 39.982,29.934 ccw(c40.107,30.059) 40.232,29.934 ccw(c40.107,30.059) 40.232,30.184 40.008,30.408 39.784,30.632 cw(c39.909,30.756) 39.784,30.881 cw(c39.909,30.756) 40.034,30.881 40.258,30.658 40.481,30.434 ccw(c40.606,30.559) 40.731,30.434 ccw(c40.606,30.559) 40.731,30.684 40.588,30.827 ; 40.587,30.827 cw(c40.668,30.907) 40.587,30.987 ; 40.588,30.987 44.05,34.45 44.05,39.25 44.925,40.125 44.925,40.55 46.525,42.15 46.716,42.15 47.05,42.484 47.05,42.75 47.4,43.1 47.675,43.1 48,43.425 48,45 v1(47.55,45.45) ; v1@47.55,45.3 cw(c47.55,44.938) 47.806,45.194 cw(c48.062,45.45) v1@47.7,45.45